# Allegro board BeagleBone-AI.brd (continued)
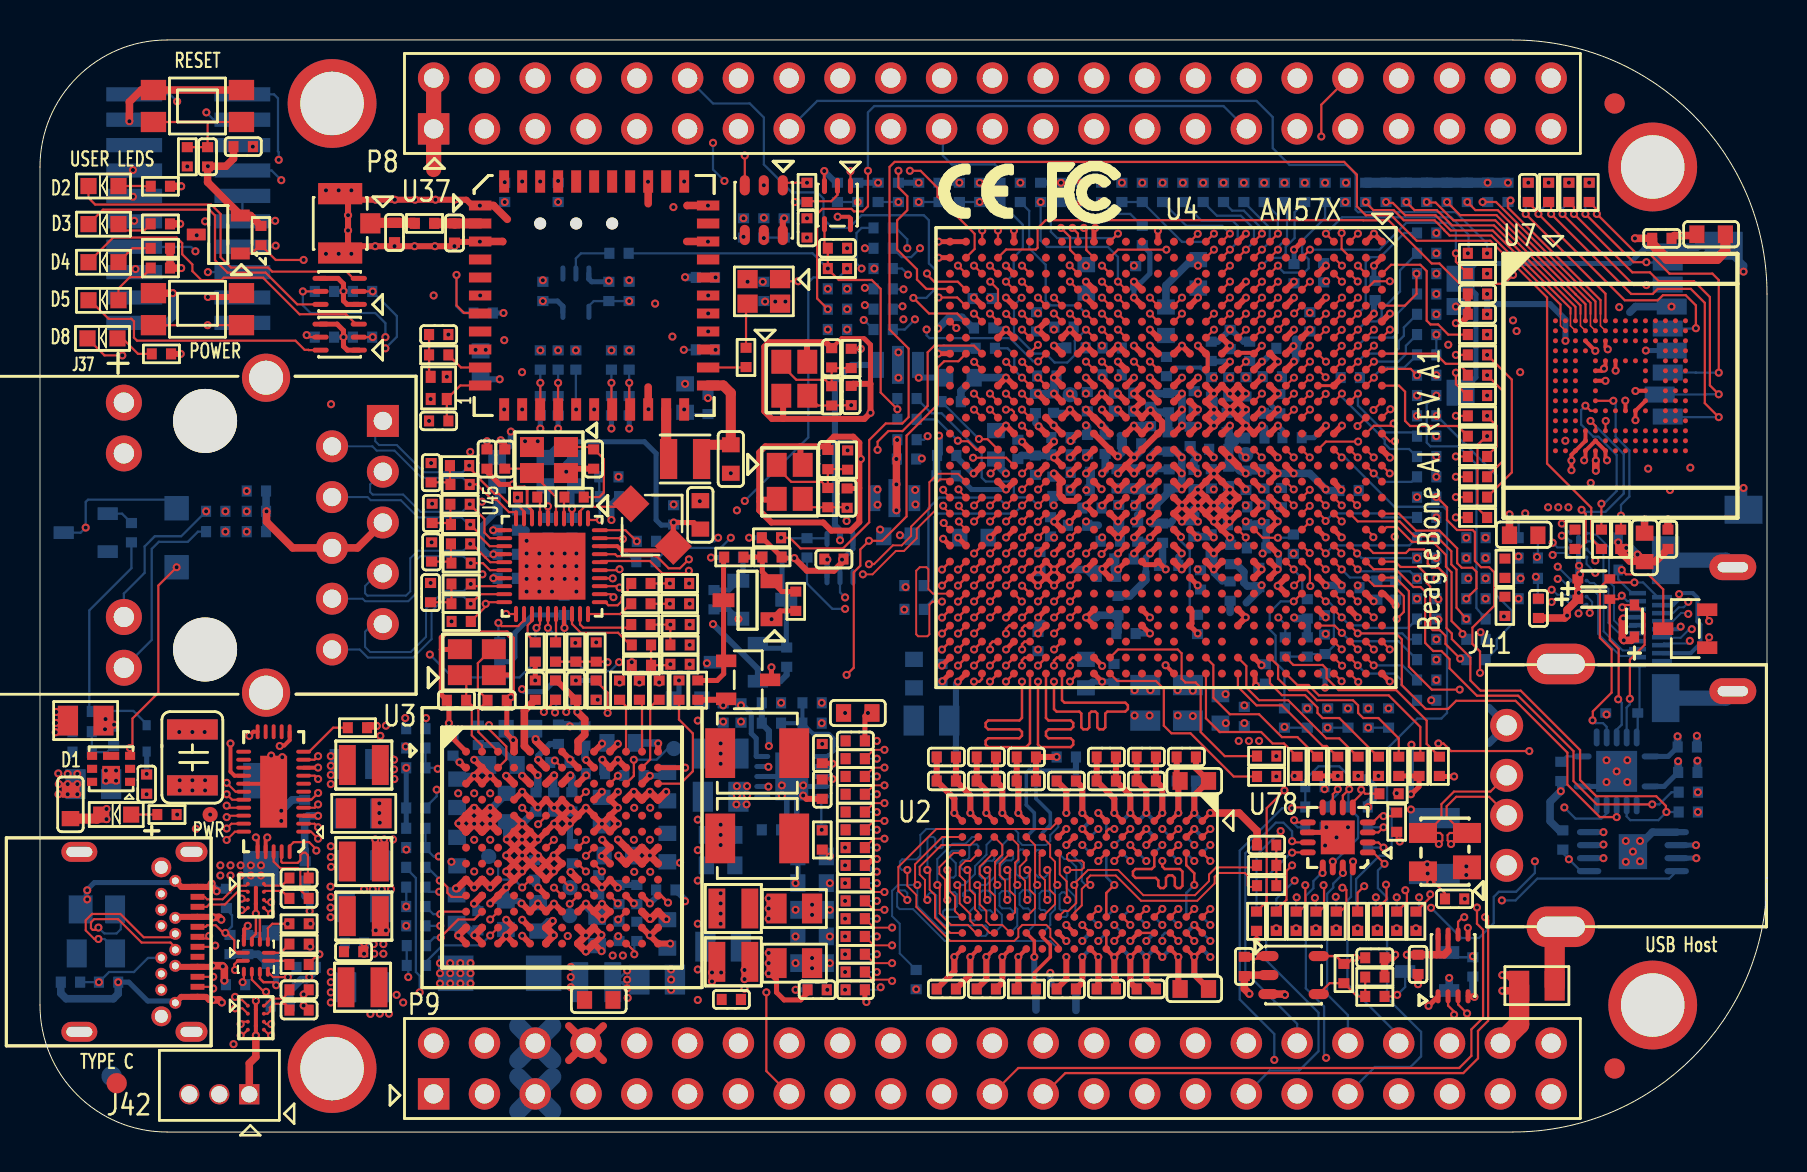
[diagram p0: board, top side]
## Routing (per net, layer and track width the routed paths; a pad name or vN(x,y) marks a point on that pad's centre or on a via; arc(x,y) is an arc through that point) (continued)
RST_PMIC_L: length 74.6
  SIG_L8 w0.102: v1(62.23,20.26) 63.25,19.24 63.25,13.47 62.76,12.98 62.43,12.98 62.23,12.78 62.23,7.75 60.71,6.22 51.41,6.22 50.93,5.74 36.75,5.74 36.3,6.2 31.32,6.2 30.92,6.59 30.92,14.73 30.65,15.01 19.51,15.01 17.21,17.31 17.21,19.13 18.26,20.18 v1(18.26,20.7)
  BOTTOM w0.114: R58.1 R57.2 v1(62.23,20.26) ; v1(18.26,20.7) 18.24,20.7 18.24,20.17 R159.1
RSTN: length 2.1
  TOP w0.114: R83.2 38.39,46.55 39.56,46.55 39.88,46.86 U6.2
RSTOUTN: length 33.8
  TOP w0.114: v1(62.69,26.53) 63.08,26.92 U4.F23
  SIG_L5 w0.102: v1(40.26,26.73) 40.64,26.73 40.75,26.62 43.76,26.62 44.3,27.15 44.3,28.37 44.48,28.55 61.24,28.55 61.53,28.26 61.53,26.99 61.98,26.53 v1(62.69,26.53)
  BOTTOM w0.114: v1(62.69,26.53) 62.04,26.53 61.49,25.98 61.49,25.12 61.79,24.83 61.79,23.48 62.23,23.04 R57.1 ; U8.2 40,26.99 v1(40.26,26.73)
RTC_ISO: length 3.9
  TOP w0.114: v1(45.9,34.57) 45.92,34.54 46.41,34.54 46.82,34.13 U4.AF14
  BOTTOM w0.114: v1(45.9,34.57) 44.83,35.64 R89.1
RTC_PORZ_L: length 9.8
  TOP w0.114: U4.AB17 v1(49.91,31.33)
  BOTTOM w0.114: R90.1 44.58,35.94 45.09,35.94 47.09,33.93 47.09,32.73 47.29,32.53 48.49,32.53 48.7,32.33 48.7,31.93 48.89,31.73 49.5,31.73 v1(49.91,31.33)
RTC_PORZN: length 23
  TOP w0.114: v1(42.88,36.14) 42.04,36.98 42.04,42.16 41.59,42.61 39.94,42.61 39.4,43.15 v1(39.4,43.18) C80.1 39.23,44.36 U6.4
  BOTTOM w0.114: R680.1 38.63,43.94 v1(39.4,43.18) ; R89.2 v1(42.88,36.14) R90.2
SPI3_D1: length 16.7
  SIG_L5 w0.102: v1(65.89,10.19) 66.29,9.78 66.29,8.03 63.98,5.71 63.98,4.29 62.94,3.25 56.59,3.25 P9.29
SPI3_SCLK: length 14.5
  SIG_L5 w0.102: v1(66.88,10.19) 66.88,10.13 66.66,9.92 66.66,7.92 64.24,5.5 64.24,4.19 63.04,3 58.88,3 P9.31
SSRX1+: length 4.7
  TOP w0.109: U88.A3 10.37,11.58 10.2,11.58 10.11,11.67 v1(10.08,11.67)
  SIG_L10 w0.114: v1(10.08,11.67) 10.06,11.65 9.89,11.65 9.61,11.37 8.26,11.37 7.98,11.64 6.33,11.64 6.07,11.91
  SIG_L10 w0.203: J42.B11 6.07,11.91
SSRX1-: length 4.6
  TOP w0.109: v1(10.08,11.1) 10.11,11.1 10.12,11.09 10.27,11.09 U88.A4
  SIG_L10 w0.114: v1(10.08,11.1) 10.06,11.07 9.9,11.07 9.87,11.11 9.86,11.1 8.14,11.1 7.87,11.37 6.33,11.37 6.07,11.11
  SIG_L10 w0.203: J42.B10 6.07,11.11
SSRX1N_A: length 8.2
  TOP w0.109: U72.26 9.58,15.42 v1(9.33,15.18) ; v1(11.56,10.92) 11.48,10.92 U88.C4
  SIG_L10 w0.114: v1(11.56,10.92) 11.6,10.92 11.71,11.04 11.98,11.04 12.27,11.32 12.27,13.2 11.16,14.3 10.62,14.3 10.41,14.5 10.41,14.92 10.16,15.18 v1(9.33,15.18)
SSRX1P_A: length 8.2
  TOP w0.109: v1(9.33,14.61) 9.75,15.02 U72.27 ; v1(11.56,11.49) 11.31,11.49 U88.C3
  SIG_L10 w0.114: v1(11.56,11.49) 11.75,11.3 11.87,11.3 12,11.43 12,13.08 11.05,14.03 10.51,14.03 10.15,14.39 10.15,14.81 10.05,14.91 9.89,14.91 9.78,14.8 9.78,14.35 9.65,14.22 9.46,14.22 9.33,14.35 v1(9.33,14.61)
SSRX2+: length 5.8
  TOP w0.109: U89.A3 10.14,5.51 10.03,5.41 v1(10.03,5.4) ; J42.A11 8.58,7.26 v1(8.66,7.18)
  SIG_L10 w0.114: v1(8.66,7.18) 8.66,7.25 8.52,7.39 8.34,7.39 8.23,7.28 8.23,6.4 8.74,5.89 8.95,5.89 9.13,6.06 9.29,6.06 9.45,5.9 9.45,5.74 9.26,5.55 9.26,5.39 9.41,5.25 9.88,5.25 v1(10.03,5.4)
SSRX2-: length 5.9
  TOP w0.109: J42.A10 8.66,7.76 v1(8.66,7.76) ; v1(10.03,4.83) 10.11,4.83 U89.A4
  SIG_L10 w0.114: v1(8.66,7.76) 8.56,7.66 8.56,7.66 8.23,7.66 7.96,7.39 7.96,6.29 9.27,4.98 9.88,4.98 v1(10.03,4.83)
SSRX2N_A: length 17.8
  TOP w0.109: U72.22 9.78,17.02 v1(9.33,17.46) ; v1(11.56,4.83) 11.48,4.83 U89.C4
  SIG_L8 w0.109: v1(9.33,17.46) 9.46,17.34 11.76,17.34 13.08,16.02 13.08,7.36 12.67,6.95 12.67,5.71 11.96,5 11.73,5 v1(11.56,4.83)
SSRX2P_A: length 17.7
  TOP w0.109: v1(11.56,5.4) 11.31,5.4 U89.C3 ; U72.23 9.61,16.62 v1(9.33,16.89)
  SIG_L8 w0.109: v1(9.33,16.89) 9.33,16.95 9.42,17.04 9.72,17.04 9.84,16.92 9.84,16.75 9.95,16.64 10.18,16.64 10.29,16.75 10.29,16.92 10.41,17.03 10.64,17.03 10.75,16.92 10.75,16.75 10.86,16.64 11.09,16.64 11.21,16.75 11.21,16.92 11.33,17.04 11.64,17.04 12.78,15.9 12.78,7.49 12.37,7.08 12.37,5.83 11.84,5.3 11.65,5.3 v1(11.56,5.4)
SSTX1+: length 2.9
  TOP w0.109: J42.A2 8.23,11.76 8.35,11.64 9.13,11.64 9.82,12.32 10.3,12.32 U88.A1
SSTX1-: length 2.9
  TOP w0.109: J42.A3 8.34,11.26 8.45,11.38 9.24,11.38 9.92,12.06 10.35,12.06 U88.A2
SSTX1N_A: length 1.5
  TOP w0.109: C444.1 12.1,12.06 11.24,12.06 U88.C2
SSTX1N_C: length 3.6
  TOP w0.109: 11.68,14.02 11.68,13.53 12.01,13.2 12.9,13.2 13.02,13.08 13.02,12.1 C444.2
SSTX1P_A: length 1.5
  TOP w0.109: U88.C1 11.19,12.38 11.26,12.32 12.09,12.32 C443.1
SSTX1P_C: length 3.5
  TOP w0.109: C443.2 13.4,12.7 13.4,13.84 13.27,13.97 13.14,13.97 13.02,13.84 13.02,13.59 12.89,13.46 12.12,13.46 12.07,13.51 12.07,14.02 U72.31
SSTX2+: length 9
  TOP w0.109: U89.A1 10.11,6.6 9.91,6.6 v1(9.75,6.76)
  SIG_L10 w0.114: v1(9.75,6.76) 9.93,6.76 10.62,7.44 10.62,8.18 10.12,8.68 7.98,8.68 7.49,8.2 7.49,7.87 7.19,7.57 7.19,7.24 7.09,7.14 6.93,7.14 6.83,7.24 6.83,7.47 6.72,7.58 6.54,7.58 J42.B2
SSTX2-: length 9.1
  TOP w0.109: U89.A2 10.13,6.18 v1(9.75,6.18)
  SIG_L10 w0.114: v1(9.75,6.18) 9.75,6.2 10.88,7.33 10.88,8.29 10.23,8.95 7.87,8.95 7.23,8.31 7.23,7.98 7.09,7.85 6.12,7.85 6.07,7.91 J42.B3
SSTX2N_A: length 1.8
  TOP w0.109: U89.C2 11.38,5.92 11.49,6.03 11.49,6.22 11.68,6.41 12.26,6.41 12.47,6.2 C445.1
SSTX2N_C: length 14.9
  TOP w0.109: C445.2 13.21,6.32 v1(13.18,6.32) ; v1(9.33,16.32) 9.44,16.22 U72.24
  SIG_L10 w0.114: v1(13.18,6.32) 13.18,6.35 13.37,6.54 13.59,6.54 14.11,7.06 14.11,8.01 13.07,9.06 13.07,13.47 12.33,14.21 12.33,14.72 11.66,15.39 11.66,15.9 11.39,16.17 9.46,16.17 9.33,16.29 v1(9.33,16.32)
SSTX2P_A: length 1.7
  TOP w0.109: U89.C1 11.22,6.31 11.58,6.68 12.14,6.68 12.47,7.01 C446.1
SSTX2P_C: length 14.9
  TOP w0.109: C446.2 13.21,6.88 v1(13.18,6.88) ; v1(9.33,15.75) 9.4,15.82 U72.25
  SIG_L10 w0.114: v1(9.33,15.75) 9.49,15.9 9.69,15.9 9.78,15.81 9.78,15.62 9.89,15.51 10.05,15.51 10.16,15.62 10.16,15.77 10.29,15.9 10.45,15.9 10.6,15.75 10.6,15.62 10.73,15.49 10.86,15.49 10.99,15.62 10.99,15.81 11.07,15.9 11.28,15.9 11.39,15.79 11.39,15.28 12.07,14.61 12.07,14.1 12.8,13.36 12.8,8.94 13.84,7.9 13.84,7.17 13.48,6.81 13.26,6.81 13.26,6.81 v1(13.18,6.88)
STATUS_LED0: length 53.4
  TOP w0.114: v1(16.64,42.04) T2.2 ; U4.J11 v1(61.1,36.93)
  SIG_L5 w0.102: v1(61.1,36.93) 61.1,37.14 60.93,37.31 58.55,37.31 58.29,37.57 58.29,37.92 58.09,38.13 57.66,38.13 56.06,39.73 54.51,39.73 54.31,39.52 54.31,39.17 54.06,38.93 46.93,38.93 46.48,39.37 41.72,39.37 41.47,39.62 36.25,39.62 33.66,42.21 32.99,42.21 32.72,41.94 23.47,41.94 22.58,41.05 19.13,41.05 v1(17.27,39.19)
  BOTTOM w0.114: v1(16.64,42.04) R390.1 17.84,40.81 17.84,39.76 v1(17.27,39.19)
SYS_RESETN1: length 2.5
  BOTTOM w0.114: U90.2 26.8,43.69 27.05,43.94 R680.2
SYS_RESETN2: length 32.5
  SIG_L5 w0.102: v1(40.26,26.16) 40.03,26.16 38.33,24.46 38.33,18.31 37.64,17.63 37.64,16.66 37.13,16.15 36.09,16.15 34.87,14.94 34.87,6.02 34.26,5.41 30.81,5.41 P9.10
  BOTTOM w0.114: v1(40.26,26.16) 39.62,26.16 38.35,27.43 R55.2
SYS_WARMRESETN: length 65.4
  SIG_L8 w0.102: v1(8.39,43) 10.24,43 12.7,40.54 22.07,40.54 22.54,40.07 30.35,40.07 32.07,38.35 32.59,38.35 33.22,37.72 34.21,37.72 34.77,37.16 39.46,37.16 40.22,37.16 40.22,37.16 41.81,37.16 42.47,36.5 43.02,36.5 43.11,36.41 45.89,36.41 46.58,35.71 47.4,35.71 48.18,34.92 51.79,34.92 52.15,34.57 53.64,34.57 54.25,33.96 54.25,33.63 54.55,33.34 54.86,33.34 55.12,33.08 55.12,32.77 55.37,32.51 56.01,32.51 56.77,31.75 57.28,31.75 57.53,31.5 57.53,31.18 57.78,30.92 58.04,30.92 58.29,30.67 58.29,30.42 58.61,30.1 58.88,30.1 59.12,29.86 59.12,29.59 59.49,29.22 59.49,27.53 61.29,25.73 v1(61.93,25.73)
  BOTTOM w0.114: v1(61.93,25.73) 62.27,25.38 R642.2 ; P2.15 v1(8.39,43)
T9_GPIO7_4: length 52.6
  TOP w0.114: U4.T9 v1(54.7,38.53)
  SIG_L5 w0.102: v1(62.84,11.73) 63.22,11.73 63.65,12.17 63.65,12.55 63.37,12.83 63.37,17.6 65.81,20.04 65.81,21.62 65.48,21.95 65.48,24.28 65.76,24.56 67.92,24.56 68.43,24.05 70.23,24.05 70.69,24.51 72.11,24.51 72.47,24.87 72.47,26.09 72.75,26.37 72.75,26.92 72.52,27.15 72.24,27.15 71.86,27.53 71.86,28.07 71.7,28.22 71.7,30.1 71.3,30.51 71.3,33.07 70.99,33.38 69.24,33.38 68.15,34.47 68.15,34.8 68.05,34.9 58.57,34.9 58.34,35.13 58.34,36.3 58.09,36.55 56.52,36.55 55.88,37.19 55.88,37.97 55.7,38.15 55.08,38.15 v1(54.7,38.53)
  BOTTOM w0.114: v1(62.84,11.73) 62.81,11.71 R638.1
TYPEC_VBUS: length 8.7
  TOP w0.305: 7.87,10.76 8.61,10.76 v1(8.64,10.73) ; 7.87,10.76 J42.A4 ; 7.87,10.76 6.81,10.76 J42.B9 ; J42.B4 6.82,8.26 7.88,8.26 ; 7.88,8.26 8.59,8.26 v1(8.65,8.32) ; 7.88,8.26 J42.A9
  TOP w0.381: v1(8.65,8.32) 9.11,8.32 v1(9.14,8.28) 9.22,8.2 v1(9.22,7.57) ; v1(8.64,10.73) 8.95,10.73 v1(9.07,10.62)
  SIG_L8 w0.508: 7.54,10.71 6.77,10.71 J42.B9 6.77,11.47 ; 6.77,7.55 6.77,8.31 7.48,8.31
  BOTTOM w0.127: R555.1 v1(1.87,17.4)
  vias: v1(0.91,17.93) v1(0.94,17.4) v1(0.93,16.89) v1(1.38,17.91) v1(1.38,17.4) v1(1.38,16.89) v1(1.87,17.91) v1(1.87,16.89)
U12_EN: length 1.2
  BOTTOM w0.114: U12.8 76.32,18.78 R704.2
UART1_RX: length 68.8
  TOP w0.114: U46.2 70.41,6.32 70.71,6.02 v1(70.71,5.87)
  INT_L3 w0.102: v1(70.71,5.87) 70.76,5.82 70.82,5.82 71.35,5.28 71.35,1.37 70.92,0.94 9.91,0.94 J92.2
UART1_RXD: length 21.7
  TOP w0.114: U4.B27 v1(66.69,23.33) ; v1(71.22,10.74) 71.15,10.74 70.91,10.51 U46.6
  SIG_L5 w0.102: v1(71.22,10.74) 70.84,10.74 70.41,11.18 70.41,13.72 70.94,14.25 70.94,15.14 69.85,16.23 69.85,17.83 70.76,18.75 70.76,20.14 70.18,20.73 67.26,20.73 66.9,21.08 66.9,23.13 v1(66.69,23.33)
  BOTTOM w0.114: v1(66.69,23.33) 68.13,23.33 R173.2
UART1_TX: length 70.6
  TOP w0.114: U46.3 70.92,6.78 70.92,6.38 v1(71.36,5.93)
  INT_L3 w0.102: J92.3 8.64,0.71 71.02,0.71 71.58,1.27 71.58,5.71 v1(71.36,5.93)
UART1_TXD: length 20.4
  TOP w0.114: v1(71.4,10.21) 71.41,10.2 U46.5 ; U4.C26 v1(65.89,24.13)
  SIG_L5 w0.102: v1(65.89,24.13) 66.29,23.73 66.29,22 66.04,21.74 66.04,21.01 66.32,20.73 66.79,20.73 67.03,20.49 70.07,20.49 70.54,20.02 70.54,18.9 69.52,17.88 69.52,14.15 70.18,13.49 70.18,11.05 71.02,10.21 v1(71.4,10.21)
UART3_RXD: length 39.9
  SIG_L5 w0.102: v1(64.39,20.22) 63.63,19.46 61.47,19.46 60.17,18.16 60.17,13.46 62.69,10.95 63.65,10.95 64.19,10.41 64.19,9.83 61.97,7.61 60.4,7.61 59.39,6.6 52.83,6.6 52.35,6.12 49.95,6.12 48.89,5.07 48.89,3.64 48.39,3.14 46.39,3.14 P9.22
  BOTTOM w0.114: R697.2 v1(64.39,20.22)
UART3_TXD: length 45.6
  SIG_L5 w0.102: v1(66.42,20.22) 70,20.22 70.31,19.91 70.31,19.05 69.27,18.01 69.27,14.05 69.95,13.36 69.95,10.97 69.8,10.82 69.39,10.82 69.14,11.07 64.99,11.07 64.41,10.5 64.41,9.68 62.86,8.13 62.86,6.96 62.26,6.35 53.04,6.35 52.55,5.87 50.02,5.87 49.15,5 49.15,3.52 48.51,2.88 46.13,2.88 45.15,1.9 P9.21
  BOTTOM w0.114: R694.2 v1(66.42,20.22)
UART5_RXD: length 65
  SIG_L8 w0.102: v1(74.8,27.76) 74.8,27.64 74.65,27.48 74.65,25.83 72.85,24.03 72.85,21.82 71.83,20.8 71.83,17.63 71.02,16.81 71.02,14.1 70.41,13.49 70.41,10.52 69.82,9.93 69.82,6.1 69.19,5.46 69.19,4.05 68.14,3 51.74,3 51.54,2.79 33.27,2.79 P9.11
  BOTTOM w0.114: R688.2 74.88,27.69 v1(74.8,27.76) 74.8,27.69 74.9,27.58 R687.2
UART6_CTSN: length 36.7
  TOP w0.114: U4.R5 v1(55.5,41.73) ; U37.41 25.91,47.43 v1(25.91,47.56)
  SIG_L8 w0.102: v1(55.5,41.72) 55.12,41.34 49.66,41.34 49.47,41.15 49.47,40.77 49.21,40.51 46.81,40.51 45.82,39.52 43.67,39.52 43.39,39.8 42.59,39.8 40.53,39.8 40.29,39.56 36.06,39.56 34.54,41.07 34.54,42.86 34,43.41 31.5,43.41 30.33,44.58 28.27,44.58 27.79,45.06 27.79,45.87 26.1,47.56 v1(25.91,47.56)
  BOTTOM w0.114: R413.2 v1(25.91,47.56)
UART6_RTSN: length 42.9
  TOP w0.114: U4.P5 v1(57.1,41.73)
  SIG_L8 w0.102: v1(57.1,41.73) 57.1,41.64 57.53,41.21 57.53,40.77 56.52,39.76 49.73,39.76 49.47,39.5 46.61,39.5 45.64,38.53 43.97,38.53 43.15,39.34 42.7,39.34 42.16,38.81 41.69,38.81 40.9,38.81 35.97,38.81 34.04,40.74 34.04,41.78 33.63,42.19 31.98,42.19 30.15,44.02 27.23,44.02 26.04,45.21 26.04,45.78 25.34,46.48 24.89,46.48 24.57,46.8 24.57,47.75 24.38,47.94 23.69,47.94 v1(23.24,47.5)
UART6_RXD: length 38.8
  TOP w0.114: U4.P6 v1(57.1,40.93)
  SIG_L8 w0.102: v1(57.1,40.93) 56.69,40.51 49.66,40.51 49.47,40.32 49.47,39.94 49.25,39.73 46.41,39.73 45.97,39.29 43.57,39.29 43.29,39.57 42.68,39.57 40.84,39.57 40.51,39.24 35.94,39.24 34.26,40.92 34.26,42.76 33.87,43.15 31.42,43.15 30.25,44.32 28.12,44.32 27.51,44.93 27.51,45.69 26.28,46.93 25.65,46.93 25.05,47.53 v1(25.01,47.53)
UART6_TXD: length 37.6
  TOP w0.114: U4.R9 v1(55.5,38.53)
  SIG_L8 w0.102: v1(55.5,38.53) 55.1,38.93 49.72,38.93 49.43,39.22 46.74,39.22 45.82,38.3 43.49,38.3 43.21,38.58 41.59,38.58 40.8,38.58 35.84,38.58 33.78,40.64 33.78,41.15 33.63,41.3 32.41,41.3 29.93,43.78 26.96,43.78 25.65,45.08 25.65,45.72 25.21,46.16 24.7,46.16 24.11,46.75 v1(24.11,47.53)
UART10_RXD: length 18
  SIG_L5 w0.102: v1(64.82,10.19) 64.82,9.39 63.25,7.81 63.25,6.9 62.46,6.11 53.25,6.11 52.76,5.61 51.33,5.61 P9.26
USB1_DM: length 85.9
  TOP w0.109: J42.A7 8.7,9.26 v1(8.76,9.32) ; J42.B7 6.59,9.74 5.19,9.74 4.02,10.9 2.6,10.9 2.29,10.59 2.29,10.08 2.72,9.65 v1(2.92,9.65) ; v1(49.1,36.13) U4.AC12
  INT_L3 w0.114: v1(49.1,36.13) 48.89,36.13 48.5,35.74 48.12,35.74 47.41,35.03 45.55,35.03 45.38,35.19 40.02,35.19 37.8,32.97 36.08,32.97 30.52,27.41 30.52,26.2 29.21,24.89 27.64,24.89 27.41,24.66 27.41,24.18 27.03,23.8 23.39,23.8 21.07,21.48 17.28,21.48 15.28,19.47 15.28,6.26 14.72,5.7 13.37,5.7 11.3,3.63 5.59,3.63 4.38,4.84 4.38,8.9 3.51,9.78 3.05,9.78 v1(2.92,9.65)
  SIG_L5 w0.109: v1(8.76,9.32) 8.89,9.45 8.89,9.94 8.61,10.22 8.17,10.22 7.65,9.7 6.98,9.7 J42.B7
  BOTTOM w0.109: D78.3 3.75,9.12 3.23,9.65 v1(2.92,9.65)
USB1_DP: length 87.2
  TOP w0.109: J42.B6 6.77,9.24 6.53,9.47 5.08,9.47 3.91,10.64 2.71,10.64 2.55,10.48 2.55,10.19 2.63,10.11 2.8,10.11 v1(2.92,10.22) ; v1(8.46,9.8) 8.33,9.68 7.96,9.68 J42.A6 ; v1(48.3,36.13) 48.59,36.13 48.7,36.02 U4.AD12
  INT_L3 w0.114: v1(2.92,10.22) 3.1,10.05 3.62,10.05 4.65,9.01 4.65,4.95 5.7,3.9 11.19,3.9 13.26,5.97 14.61,5.97 15.01,6.37 15.01,19.58 17.17,21.74 20.96,21.74 23.28,24.07 26.92,24.07 27.14,24.29 27.14,24.77 27.52,25.16 29.1,25.16 30.25,26.31 30.25,27.52 35.97,33.24 37.68,33.24 39.91,35.46 43.49,35.46 43.6,35.57 43.6,36.03 43.72,36.15 43.95,36.15 44.06,36.03 44.06,35.6 44.2,35.46 44.4,35.46 44.52,35.57 44.52,36.03 44.63,36.15 44.86,36.15 44.98,36.03 44.98,35.6 45.12,35.46 45.49,35.46 45.66,35.29 47.3,35.29 48.01,36 48.18,36 v1(48.3,36.13)
  SIG_L5 w0.109: J42.B6 7.05,9.4 7.24,9.4 7.34,9.3 7.34,9.02 7.44,8.92 7.72,8.92 7.8,8.99 7.8,9.42 8.2,9.83 8.43,9.83 v1(8.46,9.8)
  BOTTOM w0.109: D78.2 4.04,10.85 4.04,10.14 3.83,9.93 3.21,9.93 v1(2.92,10.22)
USB2_DM: length 85.9
  TOP w0.109: 71.15,14.96 70.34,15.77 70.34,16.29 70.82,16.76 72.47,16.76 73.34,15.89 J41.2 ; 71.15,14.96 D79.2 ; 71.15,14.96 70.5,14.96 70.39,14.85 70.39,14.58 v1(70.56,14.4) ; U4.AF11 v1(46.7,36.93)
  SIG_L10 w0.114: v1(70.56,14.4) 70.36,14.2 70.36,9.93 66.26,5.83 37.83,5.83 37.08,6.58 37.08,15.95 37.5,16.37 37.5,21.02 38.71,22.23 38.71,29.13 39.1,29.53 39.1,36 40.42,37.31 45.8,37.31 46.32,36.79 46.61,36.79 46.72,36.91 v1(46.7,36.93)
USB2_DP: length 85.8
  TOP w0.109: 69.34,14.96 70.02,14.96 70.13,14.85 70.13,14.58 v1(69.95,14.4) ; 69.34,14.96 70.08,15.7 70.08,16.4 70.71,17.03 72.53,17.03 J41.3 ; 69.34,14.96 D79.3 ; U4.AE11 v1(47.5,36.93)
  SIG_L10 w0.114: v1(69.95,14.4) 70.09,14.26 70.09,10.04 66.15,6.1 37.94,6.1 37.35,6.69 37.35,15.84 37.77,16.26 37.77,20.91 38.98,22.11 38.98,29.02 39.37,29.42 39.37,35.89 40.53,37.05 45.69,37.05 46.21,36.53 47.1,36.53 v1(47.5,36.93)
USB2_DRVVBUS: length 64.1
  TOP w0.114: U4.AC10 v1(49.1,37.73)
  SIG_L5 w0.102: v1(73.1,11.58) 72.85,11.58 72.21,12.22 72.21,22.2 72.62,22.61 72.62,24 73.81,25.2 73.81,26.04 73.43,26.42 73.43,27.84 73.06,28.21 73.06,30.04 72.24,30.86 72.24,33.85 70.93,35.15 68.88,35.15 68.14,35.9 68.14,36.26 67.87,36.53 66.57,36.53 65.79,35.74 59.26,35.74 59.11,35.89 59.11,36.35 58.93,36.53 58.5,36.53 58.32,36.7 58.32,37.16 58.17,37.31 56.79,37.31 56.36,37.74 56.36,38.4 55.85,38.91 54.53,38.91 54.28,38.66 54.28,38.38 54.03,38.13 49.75,38.13 49.35,37.73 v1(49.1,37.73)
  BOTTOM w0.114: v1(49.1,37.73) 48.72,38.11 48.72,38.86 48.39,39.19 R112.1 ; U48.4 81.47,12.67 74.88,12.67 73.79,11.58 v1(73.1,11.58)
USB_RXN0: length 48.4
  TOP w0.109: U4.AF12 47.1,35.73 v1(46.71,36.13) ; U72.5 13.57,16.62 v1(13.91,16.95)
  INT_L3 w0.114: v1(13.91,16.95) 13.8,16.85 13.65,16.85 13.54,16.95 13.54,18.97 16.85,22.29 20.71,22.29 24.02,25.59 28.77,25.59 29.69,26.52 29.69,28.49 30.95,29.75 30.95,31.2 33.96,34.21 37.72,34.21 40.37,36.87 41.49,36.87 41.6,36.75 41.6,36.46 41.72,36.35 41.94,36.35 42.06,36.46 42.06,36.75 42.17,36.87 44.85,36.87 45.45,36.26 45.72,36.26 45.85,36.13 45.85,35.8 45.96,35.69 46.12,35.69 46.23,35.8 46.23,36.13 46.36,36.26 46.57,36.26 v1(46.71,36.13)
USB_RXP0: length 48.6
  TOP w0.109: v1(13.91,16.38) 13.74,16.22 U72.4 ; U4.AE12 v1(47.5,36.13)
  INT_L3 w0.114: v1(47.5,36.13) 47.1,36.53 45.56,36.53 44.96,37.13 40.26,37.13 37.61,34.48 33.85,34.48 30.68,31.31 30.68,29.86 29.43,28.6 29.43,26.63 28.66,25.86 23.91,25.86 20.6,22.56 16.74,22.56 13.27,19.08 13.27,16.84 13.54,16.58 13.71,16.58 v1(13.91,16.38)
USB_TXN0: length 52.6
  TOP w0.109: U4.AC11 v1(49.1,36.93) ; v1(13.91,15.24) 13.73,15.42 U72.2
  INT_L3 w0.114: v1(49.1,36.93) 48.7,36.52 48.13,36.52 47.91,36.74 47.91,37.13 47.66,37.38 45.28,37.38 44.42,38.24 40.37,38.24 37.54,35.41 34.02,35.41 30.11,31.5 30.11,31.19 28.24,29.32 28.24,27.25 27.33,26.34 23.16,26.34 19.91,23.09 16.69,23.09 12.79,19.19 12.79,16.1 13.65,15.24 v1(13.91,15.24)
USB_TXP0: length 52.6
  TOP w0.109: U72.1 13.56,15.02 v1(13.91,14.67) ; U4.AD11 v1(48.3,36.93)
  INT_L3 w0.114: v1(13.91,14.67) 13.73,14.85 13.67,14.85 12.52,15.99 12.52,19.3 16.58,23.36 19.8,23.36 23.05,26.61 27.22,26.61 27.98,27.36 27.98,29.43 29.84,31.3 29.84,31.61 33.91,35.67 37.43,35.67 40.26,38.51 44.53,38.51 45.39,37.64 47.77,37.64 48.3,37.11 v1(48.3,36.93)
USB_VBUS: length 9.7
  TOP w0.114: C327.2 70.26,11.94 D79.4 69.16,12.83 v1(69.52,12.47)
  PWR_L6 w0.381: 72.46,14.22 J41.1 ; J41.1 74.23,14.22 ; J41.1 72.46,12.45 ; J41.1 74.23,12.45
  BOTTOM w0.254: U48.7 78.15,14.35 v1(78.18,14.38) ; U48.6 v1(78.18,13.7) ; U48.8 v1(78.18,15)
  vias: v1(69.37,13.39) v1(69.39,12.93)
VTT: length 0.6
  TOP w0.127: v1(39.37,7.11) C60.1
  BOTTOM w0.254: v1(39.62,17.65) 39.5,17.78 U1.3
  vias: v1(39.5,13.78) v1(39.5,12.45) v1(39.5,11.11) v1(39.5,9.78) v1(39.5,8.45) v1(40.26,14.22) v1(40.26,13.34) v1(40.26,12.45) v1(40.26,11.56) v1(40.26,10.67) v1(40.26,9.78) v1(40.26,8.89) v1(40.26,8) v1(40.26,7.11)
WIFI/BT_VDDIO: length 1.2
  BOTTOM w0.114: R611.1 32.35,35.9 C3.1
  vias: v1(32.21,36.13)
WIFI_LDO_IN: length 6
  TOP w0.508: L30.2 33.08,34.24 33.21,34.37 C464.1 34.54,36.96 34.17,37.33 U37.23
WIFI_LDO_OUT: length 2.5
  TOP w0.508: L30.1 31.31,33.78 U37.21
X4_XTAL_IN: length 1.9
  TOP w0.114: R294.2 21.05,38.23 U37.10
X4_XTAL_IN_R: length 2.1
  TOP w0.114: C463.1 R294.1 19.46,37.84 X4.3
X4_XTAL_OUT: length 3.1
  TOP w0.114: U37.11 21.02,37.33 X4.1 20.34,35.64 C68.1
N22317335: length 6.3
  TOP w0.114: U3.A3 21.92,20.01 21.92,21.11 22.38,21.56 C51.2 22.38,21.62 21.89,22.1 21.89,23.45 22.59,24.15 X6.3
N22317542: length 4.3
  TOP w0.114: U3.A2 22.11,19.32 21.59,19.84 21.59,21.34 21.34,21.59 C52.2 21.32,22.19 21.32,22.52 X6.1
N22318396: length 0.5
  TOP w0.114: v1(25.74,18.58) 25.75,18.58 U3.B7
N22318471: length 9.6
  TOP w0.12: U3.H8 v1(27.3,13.03)
  INT_L3 w0.102: v1(27.3,13.03) 26.88,12.61 26.88,12.07 26.62,11.81 20.55,11.81 20.35,12.01 v1(19.96,12.01)
  BOTTOM w0.114: R149.2 19.28,12.2 19.47,12.01 v1(19.96,12.01)
N22318542: length 4.5
  TOP w0.114: U3.M3 v1(22.51,9.83)
  BOTTOM w0.114: R146.2 19.3,8.51 20.13,9.33 22.02,9.33 v1(22.51,9.83)
N22319110: length 2.2
  TOP w0.114: v1(20.02,10.9) 20.14,11.02 U3.L1
  BOTTOM w0.114: R148.2 19.66,10.9 v1(20.02,10.9)
N22319134: length 3.5
  TOP w0.102: v1(20.04,9.73) 20.09,9.78 20.09,9.8
  TOP w0.114: U3.L2 21.71,10.63 20.92,10.63 20.09,9.8
  BOTTOM w0.114: R145.2 19.71,9.73 v1(20.04,9.73)
N22319210: length 10.8
  TOP w0.12: U3.E6 25.31,15.79 v1(24.91,15.39)
  INT_L3 w0.102: v1(24.91,15.39) 24.5,15.8 21.13,15.8 20.55,16.38 20.55,18.75 19.3,19.99 v1(19.3,20.7)
  BOTTOM w0.114: v1(19.3,20.7) 19.3,20.37 19.25,20.37 19.25,20.17 R159.2
N22319298: length 9.2
  TOP w0.114: v1(28.38,20.96) 28.38,21.97 27.81,22.54 R589.2
  TOP w0.12: U3.G8 27.3,14.61 v1(27.3,14.61)
  SIG_L10 w0.102: v1(28.38,20.96) 27.69,20.26 27.69,14.99 27.31,14.61 v1(27.3,14.61)
N22319404: length 3.6
  TOP w0.114: v1(29.69,18.62) 29.69,17.98
  TOP w0.12: U3.C11 29.69,17.81 29.69,17.98
  BOTTOM w0.114: TP2.1 31.39,19.18 30.83,18.62 v1(29.69,18.62)
N22319442: length 3.9
  TOP w0.12: U3.L3 v1(22.51,10.63)
  INT_L3 w0.102: v1(22.51,10.63) 20.33,10.63 v1(20.02,10.31)
  BOTTOM w0.114: R147.2 v1(20.02,10.31)
N22319541: length 9.1
  TOP w0.12: v1(25.7,12.22) 25.71,12.22 U3.K7
  INT_L3 w0.102: v1(25.7,12.22) 25.3,12.62 20.52,12.62 19.94,13.21 v1(19.94,13.78)
  BOTTOM w0.114: R150.2 R151.2 19.28,14.19 19.69,13.78 v1(19.94,13.78)
N22321366: length 3.2
  TOP w0.12: U3.J5 v1(24.11,12.23)
  BOTTOM w0.114: TP7.1 22.45,13.78 22.91,13.32 22.91,12.7 22.99,12.62 23.72,12.62 v1(24.11,12.23)
N22323098: length 1.2
  TOP w0.12: v1(26.49,11.41) 26.51,11.43 26.51,11.43 U3.K8
  BOTTOM w0.114: v1(26.49,11.41) 26.49,11.41 TP3.1
N22326306: length 3.2
  TOP w0.114: U3.B3 23.32,18.63 23.32,19.28 22.45,20.14 v1(22.45,20.35)
  BOTTOM w0.114: v1(22.45,20.35) 22.43,20.32 21.92,20.32
N22326340: length 2.7
  TOP w0.114: R108.2 29.31,21.29 U3.A11
N22327571: length 5.8
  TOP w0.12: U3.D8 v1(27.3,17.01)
  INT_L3 w0.102: v1(26.31,21.01) 26.88,20.44 26.88,17.44 v1(27.3,17.01)
  BOTTOM w0.114: R121.2 26.31,21.13 v1(26.31,21.01)
N22330601: length 2.9
  TOP w0.114: v1(19.99,12.57) 20.04,12.57 20.37,12.24 20.37,11.96 20.57,11.76 21.24,11.76 U3.K1
  BOTTOM w0.114: v1(19.99,12.57) 19.99,12.62 19.38,13.23 R152.1
N22353475:
  vias: v1(29.71,16.21) v1(30.51,16.21) v1(34.04,19.43) v1(34.04,18.92) v1(34.04,18.41)
N22353588:
  vias: v1(29.7,14.61) v1(30.5,14.61) v1(34.04,15.37) v1(34.04,14.86) v1(34.04,14.35)
N22357225:
  vias: v1(29.71,13.01) v1(30.51,13.01) v1(34.04,11.94) v1(34.04,11.43) v1(34.04,10.92) v1(34.04,10.41)
N22362935:
  vias: v1(16.76,14.63) v1(17.21,14.63) v1(17.65,14.63) v1(21.71,14.61) v1(22.51,14.61)
N22362999:
  vias: v1(16.79,10.08) v1(17.3,10.08) v1(21.71,13.03) v1(22.51,13.03)
N22363275: length 1.1
  TOP w0.305: U3.N5 v1(24.11,9.81) ; U3.M5 v1(24.11,10.61)
  vias: v1(16.52,5.91) v1(16.99,5.92) v1(17.45,5.92)
N22363654:
  vias: v1(17.7,18.62) v1(17.7,18.14) v1(17.72,17.65) v1(20.91,16.94) v1(21.71,16.94) v1(22.51,16.94)
N22363823:
  vias: v1(28.64,8.83) v1(29.15,8.83) v1(33.6,7.98) v1(33.6,7.53) v1(34.06,7.98)
N22364166:
  vias: v1(26.39,9.8) v1(26.54,8.25) v1(26.54,7.75) v1(26.54,7.24)
N22371969: length 3.3
  BOTTOM w0.178: R88.1 49.8,16.67 50.52,15.95 50.52,15.35 50.12,14.95 U11.L8
N22372392: length 3.3
  TOP w0.178: R22.1 49.72,7.24 49.72,7.95 50.52,8.75 50.52,9.35 50.12,9.75 U2.L8
N22451440: length 11
  TOP w0.114: U4.J7 v1(61.1,40.13)
  INT_L3 w0.102: v1(65.28,46.51) 65.53,46.25 65.53,41.5 65.37,41.34 64.07,41.34 63.91,41.17 63.91,40.67 63.75,40.51 61.49,40.51 v1(61.1,40.13)
N22468818: length 5.1
  TOP w0.114: R14.2 40.36,33.15 C14.1 R11.2 39.09,32.51 37.57,32.51 36.83,33.25 36.83,33.36 X7.1
N22564962: length 5
  TOP w0.114: X8.1 37.07,38.37 37.82,37.62 39.27,37.62 R12.2 C16.1 39.62,38.2 R15.2
N22636977: length 3.5
  TOP w0.114: U4.D21 v1(65.09,28.13)
  BOTTOM w0.114: v1(65.09,28.13) 65.5,27.73 66.71,27.73 R174.1 R182.2
N22839257: length 3.8
  TOP w0.254: R86.1 R87.2 36.12,28.01 D7.2 37.1,27.03 R91.1
N22839261: length 7.4
  TOP w0.254: R85.2 33.86,22.58 34.19,22.91 34.19,23.44 Q4.1 34.18,23.69 D7.3 34.18,28.72 R86.2
N22933468: length 6.2
  BOTTOM w0.254: Q1.1 36.15,24.19 37.3,24.19 R9.2 37.32,24.25 D6.3 37.11,26.83 R13.2
N22933472: length 3.7
  BOTTOM w0.254: R13.1 36.12,28.73 R8.2 35.15,27.8 D6.2 34.45,27.1 R17.1
N22969864: length 0.6
  TOP w0.305: v1(27.31,17.84) 26.91,17.43 U3.C8
N23030456: length 86.8
  TOP w0.114: R56.2 77.57,29.67 77.57,31.22 75.36,33.43 75.36,41.73 72.52,44.57 68.84,44.57 67.56,45.85 66.29,45.85 65.85,46.29 65.85,47.88 65.21,48.51 42.74,48.51 42.48,48.26 42.48,40.13 43.43,39.18 43.43,35.75 43.12,35.43 42.29,35.43 41.47,34.61 41.47,30.49 40.16,29.18 38.03,29.18 37.5,29.72 v1(37.06,29.72)
  SIG_L5 w0.102: v1(28.93,32.77) 32.45,32.77 34.58,30.63 36.14,30.63 v1(37.06,29.72)
  BOTTOM w0.114: U8.4 39.32,29.69 R55.1 37.08,29.69 v1(37.06,29.72)
N23038414: length 1.3
  TOP w0.114: v1(38.35,47.47) 37.27,47.47 37.15,47.35 U10.1
N23038804:
  vias: v1(35.18,44.77)
N23039545: length 1.1
  BOTTOM w0.114: R74.2 36.22,44.73 v1(36.2,44.7) C87.2
N23050874: length 5.4
  TOP w0.114: U4.AD4 v1(48.3,42.53)
  BOTTOM w0.114: R585.1 49.15,45.36 49.15,44.2 48.69,43.74 48.69,42.91 v1(48.3,42.53)
N23050912: length 4.8
  TOP w0.114: U4.D18 v1(65.09,30.53)